# Altium PCB FRONT-UNIT-7.PcbDoc (part 1 of 3) (continued)
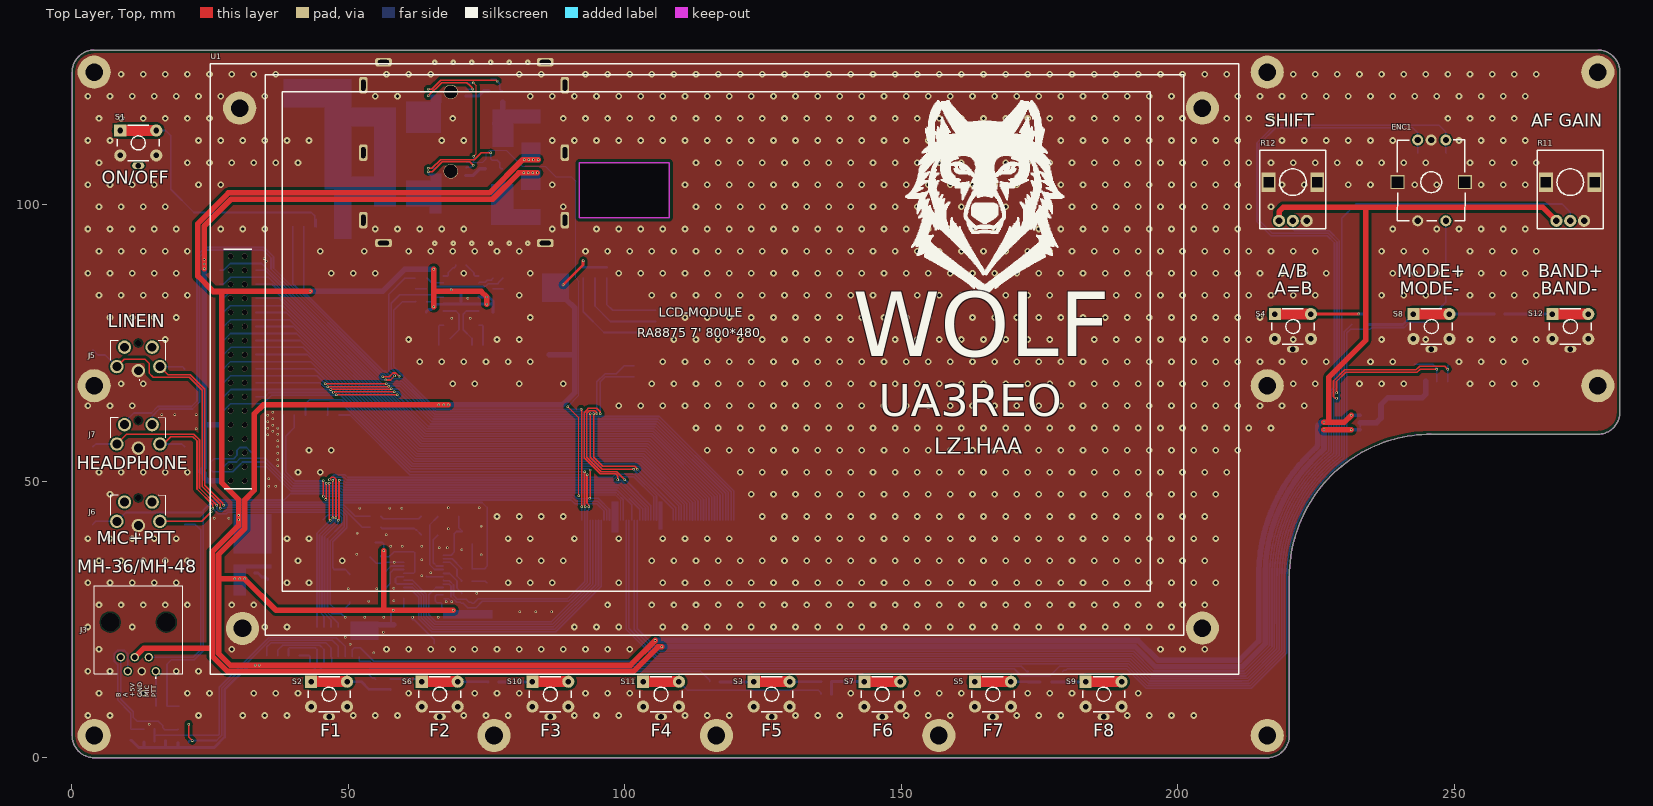
[diagram p0: Top Layer, Top view]
## Footprints (in the part's own frame and the unit in brackets; to place one, negate y for a bottom-side part, rotate by r counter-clockwise, add the part's x,y. Pads: shape width x height; smd on the part's side, far side on the other; paste and mask are expansions set on the pad) (continued)
  round 1 hole 1 unplated: ""(3.683,-75.438) ""(3.683,-72.898) ""(3.683,-70.358) ""(3.683,-67.818) ""(3.683,-65.278) ""(3.683,-62.738) ""(3.683,-60.198) ""(3.683,-57.658) ""(3.683,-55.118) ""(3.683,-52.578) ""(3.683,-50.038) ""(3.683,-47.498) ""(3.683,-44.958) ""(3.683,-42.418) ""(3.683,-39.878) ""(3.683,-37.338) ""(3.683,-34.798) ""(6.223,-75.438) ""(6.223,-72.898) ""(6.223,-70.358) ""(6.223,-67.818) ""(6.223,-65.278) ""(6.223,-62.738) ""(6.223,-60.198) ""(6.223,-57.658) ""(6.223,-55.118) ""(6.223,-52.578) ""(6.223,-50.038) ""(6.223,-47.498) ""(6.223,-44.958) ""(6.223,-42.418) ""(6.223,-39.878) ""(6.223,-37.338) ""(6.223,-34.798)
  Top Layer, Top pour cut-out: 2.45,-33.8 7.45,-33.8 7.45,-76.825 2.45,-76.825
  Bottom Layer, Bottom pour cut-out: 2.45,-33.8 7.45,-33.8 7.45,-76.825 2.45,-76.825
  silkscreen extent 0,-110.36 186.06,0, body extent 0,-110.36 186.06,0, height 11.6
MCP3008-I/SL [mm]
  rect 2x0.6 smd: 1(-2.7,4.445) 2(-2.7,3.175) 3(-2.7,1.905) 4(-2.7,0.635) 5(-2.7,-0.635) 6(-2.7,-1.905) 7(-2.7,-3.175) 8(-2.7,-4.445) 9(2.7,-4.445) 10(2.7,-3.175) 11(2.7,-1.905) 12(2.7,-0.635) 13(2.7,0.635) 14(2.7,1.905) 15(2.7,3.175) 16(2.7,4.445)
  silkscreen extent -1.3,-5 1.3,5
PAM8403 [mm]
  rect 2x0.6 smd: 1(-3.175,4.445) 2(-3.175,3.175) 3(-3.175,1.905) 4(-3.175,0.635) 5(-3.175,-0.635) 6(-3.175,-1.905) 7(-3.175,-3.175) 8(-3.175,-4.445) 9(3.175,-4.445) 10(3.175,-3.175) 11(3.175,-1.905) 12(3.175,-0.635) 13(3.175,0.635) 14(3.175,1.905) 15(3.175,3.175) 16(3.175,4.445)
  silkscreen extent -1.7,-5.15 1.7,5.15
PCBJUMPEROPENSHORT [mm]
  rrect20% 1x1.7 smd mask+0.16: 1(1.3,0) 2(-1.3,0) 3(0,0)
  Top Layer, Top lines w0.3: 0.8,0 0.5,0
  silkscreen extent -2.1,-1.15 2.1,1.15
PEC12 [mm]
  round 2 hole 1.1: 1(-2.44,-6.985) 2(2.64,-6.985) 3(2.64,7.62) 4(0,7.618) 5(-2.44,7.62)
  rect 2.5x2.5 hole 2 square: 6(-6.1,0) 7(6.1,0)
  silkscreen extent -6.12,-7 6.12,7.7, body extent -7,-7.15 7,7.6, height 20
PJ3583B [mm]
  round 2.43 hole 1.62: 2(0,0) 3(-3.9,-0.75) 4(-2.5,-4.25) 5(2.5,-4.25) 6(3.9,-0.75)
  round 0.6 hole 1.2 unplated: MH1(0,-5)
  silkscreen extent -5,-5.55 5,1.7, body extent -5,-5.54 5,0.56, height 15
PTS645SK50LFS [mm]
  rect 2.2x2.2 hole 1: 1(-3.25,2.25)
  round 2.2 hole 1: 2(3.25,2.25) 3(3.25,-2.25) 4(-3.25,-2.25)
  oval 2.2x1.2 hole 1: 5(0,-4.1)
  silkscreen extent -3.81,-3.17 3.81,3.18, body extent -3.85,-4.25 3.85,3, height 7.3
PTV09 [mm]
  round 2.2 hole 1.2: 1(-2.5,-7) 2(0,-7) 3(2.5,-7)
  rect 2.5x3.5 hole 1.8 square: 4(-4.4,0) 5(4.4,0)
  silkscreen extent -5.96,-8.46 5.94,5.74, body extent -5.65,-7.1 5.65,5.5, height 26.54
R-0805 [mm] "Thin Film, Rectangular Resisitor Chip, Body 2 x 1.2 mm (L x W)"
  rect 0.7x1.3 smd: 1(-0.95,0) 2(0.95,0)
  Top Layer, Top pour cut-out: -0.6,0.65 0.6,0.65 0.6,-0.65 -0.6,-0.65
  body extent -1,-0.62 1,0.63, height 0.6
RES_0805 [mm] "Thin Film, Rectangular Resisitor Chip, Body 2 x 1.2 mm (L x W)"
  rect 0.7x1.3 smd: 1(-0.95,0) 2(0.95,0)
  Top Layer, Top pour cut-out: -0.6,0.65 0.6,0.65 0.6,-0.65 -0.6,-0.65
  body extent -1,-0.62 1,0.63, height 0.6
S4B-PH-SM4-TB [mm]
  rect 1x3.5 smd: 1(6,0) 2(4,0) 3(2,0) 4(0,0)
  rect 1.6x3.5 smd: 5(-2.4,5.7) 6(8.4,5.7)
  silkscreen extent -3,-2.36 9,7.35, body extent -2.95,-1.43 8.95,7.44, height 5.6
SMBJ36CATR [mm]
  rect 2.2x2.15 smd: 1(-2.2,0) 2(2.2,0)
  silkscreen extent -2.68,-1.81 2.68,1.81, body extent -3.09,-1.81 3.09,1.81, height 2.75
SMD-G-10X10.2 [mm] "10X7.7, 8.7, 10, 10.5, 12.5"
  rect 4.1x2 smd paste-0.05 mask+0.05: 1(4.35,0) 2(-4.35,0)
  silkscreen extent -5.25,-5.25 5.25,5.25, body extent -5.85,-5.15 5.85,5.15
SOT23-5 [mm] "SOT23, 5-Leads, Body 2,90x2,80mm, Pitch 0,95mm, IPC Medium Density"
  rect 1x0.6 smd: 1(-1.2,0.95) 2(-1.2,0) 3(-1.2,-0.95) 4(1.2,-0.95) 5(1.2,0.95)
  round 0.5 on Mech2: ""(-1.1,1.1)
  silkscreen extent -1.32,-1.5 0.25,1.92, body extent -1.5,-1.5 1.5,1.5, height 1.3
ST1S10 [mm]
  rect 2x0.6 smd: 1(-2.7,1.905) 2(-2.7,0.635) 3(-2.7,-0.635) 4(-2.7,-1.905) 5(2.7,-1.905) 6(2.7,-0.635) 7(2.7,0.635) 8(2.7,1.905)
  rect 2.41x3.3 smd: 9(0,-0.1)
  silkscreen extent -1.32,-2.5 1.32,2.5, body extent -3,-2.45 3,2.45, height 1.63
WE-LQ-L [mm] "Inductor, 2-Leads, Body 4.5 x 3.2 mm"
  rect 2x3.6 smd: 1(-1.7,0) 2(1.7,0)
  silkscreen extent -0.2,-1.65 0.2,1.65, body extent -2.25,-1.6 2.25,1.6, height 2.59
WM8731 [mm]
  rect 1.8x0.4 smd: 1(-3.6,4.225) 2(-3.6,3.575) 3(-3.6,2.925) 4(-3.6,2.275) 5(-3.6,1.625) 6(-3.6,0.975) 7(-3.6,0.325) 8(-3.6,-0.325) 9(-3.6,-0.975) 10(-3.6,-1.625) 11(-3.6,-2.275) 12(-3.6,-2.925) 13(-3.6,-3.575) 14(-3.6,-4.225) 15(3.6,-4.225) 16(3.6,-3.575) 17(3.6,-2.925) 18(3.6,-2.275) 19(3.6,-1.625) 20(3.6,-0.975) 21(3.6,-0.325) 22(3.6,0.325) 23(3.6,0.975) 24(3.6,1.625) 25(3.6,2.275) 26(3.6,2.925) 27(3.6,3.575) 28(3.6,4.225)
  silkscreen extent -2.4,-5.2 2.4,5.2

## Part data
C1 C2: library part "SMD-G 470uF 25V", "CAP ALUM 470UF 20% 25V SMD", Lifetime @ Temp=2000Hrs@105℃, Manufacturer=KEMET, Manufacturer PartNumber=EDH477M025A9PAA, Package / Case="G, 0.394\" Dia (10.00mm)", Temp.Characteristic="–55 °C to +105 °C", Tolerance="±20 %", Voltage=25V, Assembly type="Manual Part", ComponentLink2URL=http://www.mouser.com/ds/2/315/ABA0000C1181-947564.pdf, Dealer Digi-Key=https://www.digikey.com/product-detail/en/kemet/EDH477M025A9PAA/EDH477M025A9PAA-ND/6597660, Dealer Аlternative=https://detail.1688.com/offer/541866342432.html, Detailed Description="470µF 25V Aluminum Electrolytic Capacitors Radial, Can - SMD  2000 Hrs @ 105°C", HelpURL=https://api.kemet.com/component-edge/download/datasheet/EDH477M025A9PAA.pdf, Note="Aluminum Electrolytic Capacitors", PartNumber Digi-Key=EDH477M025A9PAA, Pricing Digi-Key=0.21, Pricing Аlternative=0.05, Publisher="Catcatcat Electronics", website developer=http://catcatcat.d-lan.dp.ua/
C3 C4 C5 C6 C7: library part CAP_1206, "CAP_1206"
C8 C10 C12 C14 C16 C19 C20 C21 C25 C26 C28 C29 C30 C31 C32 C36 C38 C39 C40 C43 C45 C48 C49 C50 C51 C52 C53: library part CAP_0805, "CAP_0805"
C9 C11 C15 C17 C18 C22 C24 C33 C34 C35 C37 C41 C42 C44: library part CAPAE_4.3x4.3h5.4, "CAPAE_4.3x4.3h5.4"
C13 C23: "Capacitor Polarised", Manufacturer_Name=Panasonic, Datasheet Link=http://industrial.panasonic.com/cdbs/www-data/pdf/RDE0000/ABA0000C1145.pdf, Height=7.8mm, Manufacturer_Part_Number=EEE1EA220SP
C27: library part Capacitor
C46 C47: library part CMP-03017-000025-1, "CAP TANT 220UF 10% 10V 2917", Capacitance=220uF, Case Code (Imperial)=2917, Case Code (Metric)=7343, Dielectric Material=Tantalum, ESR (Equivalent Series Resistance)=100mR, Leakage Current=22uA, Max Operating Temperature=125°C, Min Operating Temperature=-55°C, Package Quantity=1, Ripple Current=1.225A, Tolerance=10%, Voltage=10V, Case/Package=2917, Construction=Flat, Depth=4.3mm, Dissipation Factor=8%, Features="General Purpose", Height=2.8mm, Height - Seated (Max)=0.122inch, Lead Pitch=3.8mm, Length=7.3mm, Life (Hours)=2000Hour, Mount="Surface Mount", Number of Pins=2, Packaging="Tape and Reel", Polarity=Polar, Radiation Hardening=No, REACH SVHC="No SVHC", RoHS Compliant=Yes, Series=T495, Termination=SMD/SMT, Voltage Rating=10V, Voltage Rating (DC)=10V, Width=0.169inch
D1 D2: library part SMLVT3V3, "Diode", LCSC Part #=test, Manufacturer_Name=STMicroelectronics, Mouser Part Number=511-SMLVT3V3, RS Part Number=5444821P, Allied Price/Stock=http://www.alliedelec.com/stmicroelectronics-smlvt3v3/70013736/, Allied_Number=70013736, Datasheet Link=http://www.st.com/web/en/resource/technical/document/datasheet/CD00000923.pdf, Height=2.65mm, Manufacturer_Part_Number=SMLVT3V3, Mouser Price/Stock=https://www.mouser.com/Search/Refine.aspx?Keyword=511-SMLVT3V3, RS Price/Stock=http://uk.rs-online.com/web/p/products/5444821P
D3 D4 D5 D6 D7: library part SMLVT3V3, "Diode", Manufacturer_Name=STMicroelectronics, Mouser Part Number=511-SMLVT3V3, RS Part Number=5444821P, Allied Price/Stock=http://www.alliedelec.com/stmicroelectronics-smlvt3v3/70013736/, Allied_Number=70013736, Datasheet Link=http://www.st.com/web/en/resource/technical/document/datasheet/CD00000923.pdf, Height=2.65mm, Manufacturer_Part_Number=SMLVT3V3, Mouser Price/Stock=https://www.mouser.com/Search/Refine.aspx?Keyword=511-SMLVT3V3, RS Price/Stock=http://uk.rs-online.com/web/p/products/5444821P
J1: "Connector", Manufacturer_Name=Ai-Thinker, Manufacturer_Part_Number="ESP8266 ESP-07", Datasheet Link=http://datasheet.octopart.com/ESP-07S-RF-Solutions-datasheet-104506015.pdf, Height=3mm
J3: "Connector", Manufacturer_Name=Molex, Mouser Part Number=538-42878-6216, Datasheet Link=https://www.molex.com/pdm_docs/sd/428786216_sd.pdf, Height=12.7mm, Manufacturer_Part_Number=42878-6216, Mouser Price/Stock=https://www.mouser.co.uk/ProductDetail/Molex/42878-6216?qs=yYVs2tXBqMPaSjdPYoO9rg%3D%3D
J4: "Connector", Arrow Part Number=S4B-PH-SM4-TB(LF)(SN), Manufacturer_Name="JST (JAPAN SOLDERLESS TERMINALS)", Arrow Price/Stock=https://www.arrow.com/en/products/s4b-ph-sm4-tb-lf-sn/jst-manufacturing, Datasheet Link=http://uk.rs-online.com/web/p/products/6881366, Manufacturer_Part_Number=S4B-PH-SM4-TB(LF)(SN)
J5 J6 J7: "Connector", Manufacturer_Name="JJ Electronics", Datasheet Link=https://datasheet.lcsc.com/szlcsc/2002271836_XKB-Enterprise-PJ-3583-B_C397337.pdf, Height=15mm, Manufacturer_Part_Number=PJ-3583-B
L1 L2 L4 L5: "Inductor", Manufacturer_Name=Vishay, Mouser Part Number=70-IHLP2525CZER100M0, Arrow Part Number=IHLP2525CZER100M01, Arrow Price/Stock=https://www.arrow.com/en/products/ihlp2525czer100m01/vishay?region=nac, Datasheet Link=https://www.vishay.com/docs/34104/ihlp-2525cz-01.pdf, Height=3mm, Manufacturer_Part_Number=IHLP2525CZER100M01, Mouser Price/Stock=https://www.mouser.co.uk/ProductDetail/Vishay-Dale/IHLP2525CZER100M01?qs=PA%252BPfIdQ8xl3JLrMc5InbA%3D%3D
L3 L6: library part CMP-0227-00587-1, "SMD-RF-Inductor WE-LQ, L = 3.30 µH", Inductance="3.30 ÂµH", ComponentLink1Description="Manufacturer Link", ComponentLink1URL=http://www.we-online.com, ComponentLink2Description=Datasheet, ComponentLink2URL=http://www.we-online.de/katalog/media/pdf/744045003.pdf, DatasheetVersion="ver 3, Jul-2006", PackageDescription="Inductor, 2-Leads, Body 4.5 x 3.2 mm", PackageReference=WE-LQ-L, PackageVersion=2006
P1 P3: library part CMP-2000-07026-1, "Male Header, Pitch 2 mm, 1 x 5 Position, Height 5.5 mm, -25 to 85 degC, RoHS, Tape and Reel", Manufacturer=JST, Package Description="Male Header, Pitch 2 mm, 1 x 5 Position, Height 5.5 mm", Package Reference=S5B-PH-SM4-TB, Datasheet URL=http://www.jst-mfg.com/product/pdf/eng/ePH.pdf, Datasheet Version=12/2012, Manufacturer URL=http://www.jst.com/home2.html, Mounting Technology=SurfaceMount, No of Positions=5, Pitch=2mm, Style/Orientation=RightAngleHeader/Plug, Termination=Crimp, Type=WiretoBoard
P2: library part CMP-2000-07027-1, "Male Header, Pitch 2 mm, 1 x 6 Position, Height 5.5 mm, -25 to 85 degC", Manufacturer=JST, Package Description="Male Header, Pitch 2 mm, 1 x 6 Position, Height 5.5 mm", Datasheet URL=https://datasheet.ciiva.com/11747/0900766b80df0d9d-11747278.pdf, Datasheet Version=11/2008, Manufacturer URL=http://www.jst.com/home2.html, Mounting Technology=SurfaceMount, No of Positions=6, Package Reference=S6B-PH-SM4-TB(LF)(SN), Pitch=2mm, Style/Orientation=RightAngleHeader/Plug, Termination=Solder, Type=ShroudedHeader
R1 R2 R3 R4 R5 R6 R7 R8 R9 R10 R13 R14 R15 R16 R17 R18 R19 R20 R21 R22 R23 R24 R26 R27 R28 R29 R34 R35 R36 R37 R38 R39 R40 R41 R42 R43 R44 R45 R46: library part RES_0805, "RES_0805"
R11 R12: library part PTV09, "Adjustable Resistor PTV09"
R25 R30 R31: library part Resistor
R32 R33: library part "RES semi", "Chip Resistor", Manufacturer=Yageo/Phycomp, Manufacturer P/N=RC0603FR-0749R9L, numsch=021, Parameters="49.9R, RC, 0.1W, ±1%, TCR ±100ppm", TypeNum=212
S2: LCSC Part #=test
U3: library part CMP-0395-00327-2, "Single Output High PSRR LDO, 1 A, Fixed 3.3 V Output, 2.7 to 5.5 V Input, 6-pin SOT-223 (DCQ), -40 to 125 degC, Green (RoHS & no Sb/Br)", Manufacturer="Texas Instruments", Accuracy(%)=2, ComponentLink1Description="Manufacturer URL", ComponentLink1URL=http://www.ti.com/, ComponentLink2Description=Datasheet, ComponentLink2URL=http://www.ti.com/general/docs/lit/getliterature.tsp?genericPartNumber=TPS79633&fileType=pdf, ComponentLink3Description="Package Specification", ComponentLink3URL=http://www.ti.com/litv/pdf/mpds098c, DatasheetVersion=SLVS351N, Eco-Plan="Green (RoHS & no Sb/Br)", Fixed Output Options(V)=3.3, Iout(Max)(A)=1, Iq(Typ)(mA)=0.26, Mounting Technology="Surface Mount", PackageDescription="6-Pin Plastic Small Outline, Body 3.5 x 6.5 mm, Pitch 1.27 mm", PackageReference=DCQ0006A, PackageVersion=4202109/D, PartNumber=TPS79633DCQR, SubFamily="Single Channel LDO", Vdo(Typ)(mV)=220, Vin(Max)(V)=5.5, Vin(Min)(V)=2.7, Vout Adj(Max)(V)=3.3, Vout Adj(Min)(V)=3.3
U6 U7: library part MCP6001UT_1
ENC1: FULLNAME="Выключатель замыкающий с приводом нажатием кнопки"

## Free pads (board coordinates)
  rrect50% 1.5x3 hole 0.8 slot 2 at 90 deg: 7(52.692,97.241) 7(52.692,109.449) 7(52.692,121.658) 7(89.156,97.241) 7(89.156,109.449) 7(89.156,121.658)
  rrect50% 3x1.5 hole 0.8 slot 2 at 0 deg: 7(56.342,93.091) 7(56.342,125.808) 7(85.606,93.091) 7(85.606,125.808)
  round 6 hole 3.2: ""(4.013,4.013) ""(4.013,67.285) ""(4.013,124.003) ""(76.327,4.013) ""(116.561,4.013) ""(156.794,4.013) ""(216.205,4.013) ""(216.205,67.285) ""(216.205,124.003) ""(275.996,67.285) ""(275.996,124.003)
  round 2.6 hole 2.4: ""(68.527,106.064) ""(68.527,120.42)

## Via types
v1: diameter 1.2, hole 0.6, Top Layer, Top to Bottom Layer, Bottom, tented both sides, 1092 vias
v2: diameter 0.45, hole 0.25, Top Layer, Top to Bottom Layer, Bottom, tented both sides, 175 vias
v3: diameter 1, hole 0.25, Top Layer, Top to Bottom Layer, Bottom, tented both sides, 12 vias

## Nets (pads, with @x,y where several pads share a name; then routed paths per layer and width w, separated by ;. In a path a pad name is that pad's centre, name@x,y a point inside that pad or via, vN(x,y) a via of type N, cw(c..) or ccw(c..) an arc to the next point about the centre after c; other vN are vias at no path point)
5V: C11.1 C12.2 L1.1 L3.2 R2.2 | length 4.6
  Bottom Layer, Bottom w1: C12.2@76.459,114.63 76.459,114.73 77.925,116.196 R2.2@77.925,118.593
+3V3: C14.2 C15.1 C18.1 C19.2 C26.2 C32.1 C33.1 C35.1 C36.2 C40.2 C41.1 J1.3 J1.8 R3.1 R4.1 R5.1 R11.1 R12.1 R13.2 R14.2 R15.2 R16.2 R30.2 R31.2 R32.2 R33.2 SB1.2 U3.4 U5.15 U5.16 U6.5 U7.5 U8.1 U8.8 U8.14 U8.27 | length 626.3
  Top Layer, Top w0.5: v2(88.824,85.522) 92.456,89.154 v2(92.456,89.916)
  Top Layer, Top w1: v2(56.413,37.465) 56.413,26.67 ; v2@58.133,26.67 56.413,26.67 ; v2@58.147,26.67 v2(68.936,26.67) ; v2@68.072,63.83 34.595,63.83 32.995,62.23 32.995,48.387 31.274,46.667 31.274,41.51 26.499,36.735 26.499,32.36 ; v2(105.503,21.206) 101.061,16.764 v2(33.858,16.764) v2(33.147,16.764) 28.601,16.764 26.499,18.866 26.499,32.36 ; R12.1@218.335,97.11 218.335,98.799 219.129,99.593 233.985,99.593 ; v2(226.466,60.655) 227.355,60.655 ; v2(231.394,61.925) 230.124,60.655 227.355,60.655 ; R11.1@268.51,97.11 266.027,99.593 233.985,99.593 ; 26.499,32.36 26.525,32.334 v2(29.439,32.334) v2(30.34,32.334) v2(31.242,32.334) 36.906,26.67 56.413,26.67 ; 227.355,60.655 227.355,68.86 233.985,75.49 233.985,99.593
  Bottom Layer, Bottom w0.3: C41.1@54.824,38.959 54.86,38.923 56.098,38.923 56.408,38.613 56.408,36.984 55.858,36.434 55.858,36.334 57.346,36.334 58.296,37.284 U8.14@59.983,37.284 61.75,37.284 61.976,37.059 61.976,33.604 61.747,33.376 59.992,33.376 U8.8@59.983,33.384 ; C35.1@58.234,24.028 57.717,24.546 57.717,26.228 58.133,26.644 v2(58.133,26.684) 59.872,26.684 C36.2@59.908,26.721 59.983,26.796 U8.1@59.983,28.834 ; U8.27@67.183,29.484 65.983,29.484 65.708,29.209 65.708,28.384 66.033,28.059 66.72,28.059 66.896,27.883 66.896,27.221 67.447,26.67 68.976,26.67 69.129,26.518 73.762,26.518 C33.1@75.075,26.518
  Bottom Layer, Bottom w0.5: R30.2@10.649,3.157 10.774,3.157 12.077,1.854 13.02,1.854 ; U6.5@13.02,2.864 13.02,1.854 ; R31.2@16.916,3.064 16.916,1.854 ; U7.5@19.192,2.762 19.192,1.854 ; R13.2@41.123,16.601 R15.2@39.167,16.601 R16.2@37.211,16.601 R14.2@35.255,16.601 35.093,16.764 v2(33.858,16.764) v2(33.147,16.764) 32.072,16.764 27.619,12.311 27.619,3.743 25.73,1.854 19.192,1.854 ; v2(92.456,89.916) R5.1@92.456,88.732 R4.1@94.602,88.732 R3.1@96.749,88.732 ; 13.02,1.854 16.916,1.854 ; 16.916,1.854 19.192,1.854
  Bottom Layer, Bottom w0.6: v2(231.394,61.925) 231.399,61.93 SB1.2@233.02,61.93
  Bottom Layer, Bottom w1: 52.883,22.987 53.924,24.028 C35.1@58.234,24.028 ; v2(66.319,63.805) v2(67.234,63.805) v2(68.072,63.805) 88.722,63.805 90.957,66.04 90.957,72.949 ; J1.3@86.305,72.921 90.929,72.921 90.957,72.949 ; J1.8@86.305,82.921 89.393,82.921 90.957,81.356 90.957,72.949 ; v2(105.503,21.206) 192.839,21.206 196.4,17.644 211.218,17.644 214.649,21.075 214.649,24.47 cw(c216.599,24.47) 214.65,24.533 ccw(c213.65,24.563) 214.65,24.561 214.65,26.414 214.65,32.8 cw(c220.2,32.81) 214.651,32.91 214.652,32.974 cw(c217.052,32.951) 214.652,32.983 cw(c217.802,32.951) 214.652,33.002 214.654,33.13 cw(c217.504,33.1) 214.654,33.152 214.66,33.586 cw(c220.21,33.531) 214.67,33.866 214.742,35.138 ccw(c213.743,35.197) 214.742,35.15 cw(c215.891,35.095) 214.743,35.159 cw(c215.891,35.101) 214.743,35.169 ccw(c213.745,35.233) 214.744,35.179 214.749,35.278 cw(c220.291,34.97) 214.779,35.615 214.816,35.951 ccw(c213.823,36.063) 214.817,35.955 214.896,36.66 cw(c216.039,36.536) 214.897,36.669 cw(c216.04,36.544) 214.898,36.677 214.936,37.009 cw(c220.452,36.403) 214.981,37.336 cw(c218.532,36.739) 214.985,37.355 214.987,37.368 cw(c216.122,37.181) 214.988,37.376 cw(c219.575,36.611) 214.994,37.41 215.22,38.74 cw(c220.694,37.824) 215.286,39.07 215.294,39.108 cw(c218.514,38.385) 215.3,39.132 215.327,39.254 ccw(c214.353,39.477) 215.329,39.26 215.462,39.845 ccw(c214.488,40.069) 215.464,39.853 cw(c216.587,39.604) 215.467,39.866 cw(c216.589,39.613) 215.469,39.873 215.598,40.437 cw(c216.72,40.186) 215.599,40.442 cw(c221.015,39.229) 215.686,40.78 215.949,41.693 cw(c218.257,41.037) 215.952,41.705 216.074,42.128 ccw(c215.114,42.407) 216.075,42.131 cw(c221.414,40.614) 216.183,42.47 cw(c217.269,42.093) 216.185,42.476 216.263,42.698 cw(c220.659,41.183) 216.274,42.731 ccw(c215.332,43.065) 216.277,42.737 216.475,43.304 ccw(c215.531,43.634) 216.475,43.306 216.649,43.803 cw(c221.89,41.975) 216.768,44.112 216.807,44.208 ; 216.808,44.209 216.815,44.226 cw(c217.88,43.792) 216.819,44.237 cw(c221.121,42.471) 216.831,44.266 216.955,44.565 cw(c220.006,43.307) 216.962,44.58 ccw(c216.039,44.967) 216.964,44.586 217.307,45.415 cw(c222.441,43.307) 217.448,45.729 218.059,46.998 cw(c223.067,44.606) 218.217,47.304 218.282,47.422 cw(c219.291,46.87) 218.287,47.43 218.6,47.996 cw(c221.494,46.412) 218.61,48.015 cw(c219.617,47.461) 218.612,48.019 218.899,48.537 cw(c223.764,45.868) 219.071,48.83 ; 219.071,48.83 219.825,50.03 cw(c224.531,47.088) 220.017,50.317 220.826,51.458 cw(c225.365,48.264) 221.037,51.738 221.054,51.76 221.925,52.852 cw(c226.264,49.391) 222.127,53.09 222.745,53.781 222.745,53.782 223.076,54.152 cw(c227.225,50.466) 223.305,54.395 224.315,55.405 cw(c228.244,51.485) 224.565,55.64 224.928,55.965 ccw(c224.261,56.71) 224.968,56.002 225.024,56.059 ccw(c224.316,56.765) 225.316,56.765 225.316,60.069 225.902,60.655 v2(226.466,60.655)
+5: C16.2 C17.1 C48.1 C49.1 C52.1 J3.4 L1.2 SB1.1 U3.1 U3.2 U9.4 U9.6 U9.12 U9.13 | length 491.6
  Top Layer, Top w1: J3.4@11.354,18.182 11.384,18.182 12.963,19.761 25.349,19.761 ; v2(43.053,84.353) 27.072,84.353 27.051,84.332 ; v2(65.43,81.559) 65.43,84.353 74.016,84.353 v2(75.032,83.337) v2(75.032,82.067) ; 65.43,84.354 v2(65.43,88.367) ; v2(84.305,108.179) v2(83.476,108.179) v2(82.647,108.179) v2(81.818,108.179) 81.532,108.179 75.519,102.166 28.303,102.166 22.758,96.622 22.758,87.122 25.548,84.332 27.051,84.332 ; v2(106.653,20.056) 105.98,20.056 101.538,15.614 28.125,15.614 25.349,18.39 25.349,19.761 ; v2(226.466,59.334) v2(231.394,59.334) ; 25.349,19.761 25.349,37.211 30.124,41.986 v2(30.124,43.028) v2(30.124,43.815) 30.124,46.685 27.051,49.759 27.051,84.332
  Bottom Layer, Bottom w0.5: C52.1@64.097,80.594 64.097,80.694 64.497,81.094 64.965,81.094 v2(65.43,81.559) 65.894,82.023 67.169,82.023 U9.4@67.212,82.066 70.387,82.066 ; U9.6@67.212,84.606 v2(68.582,84.606) 69.953,84.606 70.387,84.172 70.387,82.066 ; U9.12@73.562,83.336 75.425,83.336 76.162,82.599 C48.1@76.162,82.466 ; C49.1@76.162,80.594 C48.1@76.162,82.466 ; 70.387,82.066 U9.13@73.562,82.066 75.761,82.066 C48.1@76.162,82.466
  Bottom Layer, Bottom w0.6: v2(231.394,59.334) 231.399,59.33 SB1.1@233.02,59.33
  Bottom Layer, Bottom w1: v2(43.053,84.353) 56.185,84.353 60.198,88.367 v2(65.43,88.367) ; v2(106.653,20.056) 192.363,20.056 195.924,16.494 211.694,16.494 215.799,20.599 215.799,24.47 cw(c216.599,24.47) 215.799,24.504 ccw(c214.8,24.543) 215.8,24.545 215.8,32.802 cw(c220.2,32.81) 215.801,32.892 215.802,32.962 cw(c217.052,32.951) 215.802,32.97 cw(c217.802,32.951) 215.802,32.98 215.804,33.113 cw(c216.804,33.102) 215.804,33.117 cw(c217.504,33.1) 215.804,33.132 215.81,33.574 cw(c220.21,33.531) 215.818,33.799 215.89,35.081 cw(c218.487,34.95) 215.891,35.093 215.891,35.095 ccw(c214.893,35.155) 215.891,35.1 ; 215.891,35.101 ccw(c214.893,35.163) 215.892,35.109 215.898,35.216 cw(c220.291,34.97) 215.921,35.481 216.039,36.536 ccw(c215.046,36.654) 216.04,36.544 216.079,36.883 cw(c220.452,36.403) 216.115,37.144 cw(c218.532,36.739) 216.118,37.159 216.122,37.181 ccw(c215.136,37.351) 216.122,37.185 cw(c219.575,36.611) 216.127,37.213 216.354,38.55 cw(c220.694,37.824) 216.406,38.812 216.416,38.855 cw(c218.514,38.385) 216.42,38.872 216.584,39.591 ccw(c215.609,39.815) 216.585,39.595 216.587,39.604 ccw(c215.614,39.833) 216.589,39.613 216.72,40.186 ccw(c215.745,40.411) 216.721,40.19 cw(c221.015,39.229) 216.79,40.459 217.054,41.375 cw(c218.257,41.037) 217.057,41.385 217.179,41.81 cw(c218.141,41.535) 217.18,41.813 cw(c221.414,40.614) 217.267,42.087 ccw(c216.325,42.421) 217.269,42.093 217.35,42.323 cw(c220.659,41.183) 217.36,42.352 217.735,43.425 cw(c221.89,41.975) 217.829,43.669 217.87,43.769 217.877,43.786 cw(c218.618,43.483) 217.88,43.792 ccw(c216.958,44.18) 217.882,43.797 cw(c221.121,42.471) 217.892,43.822 218.018,44.126 cw(c220.006,43.307) 218.024,44.14 218.371,44.978 cw(c222.441,43.307) 218.482,45.226 219.097,46.502 cw(c223.067,44.606) 219.222,46.744 219.29,46.868 ccw(c218.414,47.351) 219.291,46.87 219.607,47.442 ; 219.607,47.442 cw(c221.494,46.412) 219.615,47.457 ccw(c218.741,47.942) 219.617,47.461 219.907,47.985 cw(c223.764,45.868) 220.043,48.216 220.8,49.419 cw(c224.531,47.088) 220.954,49.65 ; 220.954,49.65 221.767,50.796 cw(c225.365,48.264) 221.935,51.02 222.334,51.52 222.824,52.134 cw(c226.264,49.391) 222.983,52.323 223.581,52.992 223.925,53.376 cw(c225.757,51.75) 223.934,53.386 cw(c227.225,50.466) 224.117,53.58 225.13,54.593 cw(c228.244,51.485) 225.328,54.78 ccw(c224.664,55.527) 225.331,54.783 225.718,55.129 ccw(c225.051,55.874) 225.758,55.166 226.466,55.875 v2(226.466,59.334)
+13.8: C1.1 C2.1 C3.1 C4.1 C5.1 C6.1 C7.1 C9.1 C22.1 L2.1 L5.1 P1.1
+LCD_3V3: D1.1 L4.2 U1.25 U1.33 | length 117.7
  Top Layer, Top w1: v2(23.927,88.468) v2(23.927,89.306) v2(23.927,90.119) 23.927,96.164 28.779,101.016 76.071,101.016 80.846,105.791 v2(81.709,105.791) v2(82.538,105.791) v2(83.367,105.791) v2(84.196,105.791)
  Bottom Layer, Bottom w1: D1.1@23.333,51.841 23.907,52.416 23.907,52.983 23.927,53.002 23.927,60.223 ; D1.1@23.51,51.841 23.907,51.444 23.907,50.648 24.493,50.062 U1.33@26.713,50.062 ; 23.901,64.897 23.927,64.872 ; v2(23.927,90.119) v2(23.927,89.306) v2(23.927,88.468) 23.927,64.872 ; U1.25@26.713,60.222 23.928,60.222 23.927,60.223 ; 23.927,60.223 23.927,64.872
AD1_CS: J2.34 U5.10 | length 87.7
  Top Layer, Top w0.3: v2(46.557,49.678) 46.557,43.146 46.685,43.017 v2(46.685,42.977)
  Bottom Layer, Bottom w0.3: U5.10@44.323,23.655 44.323,40.615 v2(46.685,42.977) ; v2(46.557,49.678) 49.001,49.678 49.352,49.327 98.957,49.327 103.225,45.059 J2.34@103.225,42.962
AF_AMP_IN_L: C50.2 J7.4 | length 105.6
  Top Layer, Top w0.3: v2(56.744,68.326) 57.607,68.326 v2(58.344,69.063)
  Bottom Layer, Bottom w0.3: J7.4@14.5,60.25 14.5,61.795 15.773,63.068 21.793,63.068 23.056,64.331 23.056,90.595 24.308,91.846 34.569,91.846 35.992,90.424 35.992,88.393 56.03,68.355 56.715,68.355 v2(56.744,68.326) ; v2(58.344,69.063) 57.31,70.097 57.31,83.802 60.208,86.7 C50.2@62.103,86.7
AF_AMP_IN_R: C51.2 J7.5 | length 126.5
  Top Layer, Top w0.3: v2(56.223,68.905) 57.373,68.905 58.056,69.588 58.592,69.588 v2(59.155,69.024)
  Bottom Layer, Bottom w0.3: J7.5@9.5,60.25 9.5,60.706 11.151,62.357 14.376,62.357 15.538,63.518 21.607,63.518 22.606,64.517 22.606,90.781 24.121,92.296 34.756,92.296 36.442,90.61 36.442,88.58 56.042,68.98 56.107,68.98 56.182,68.905 v2(56.223,68.905) ; v2(59.155,69.024) 57.76,70.42 57.76,82.22 59.258,83.718 65.303,83.718 65.557,83.972 65.557,84.912 65.888,85.242 74.767,85.242 75.275,85.75 77.023,85.75 77.217,85.944 77.217,85.988 77.929,86.7 C51.2@78.029,86.7
AF_AMP_MUTE: J2.56 R44.2 | length 72.1
  Top Layer, Top w0.3: v2(92.075,63.058) 92.075,63.017 92.226,62.866 v2(92.227,45.364) v2(92.227,45.364)
  Bottom Layer, Bottom w0.3: R44.2@62.174,82.52 R44.2@62.194,82.499 59.768,82.499 58.21,80.941 58.21,70.712 65.604,63.318 65.939,62.983 91.959,62.983 92.034,63.058 v2(92.075,63.058) ; J2.56@92.225,42.962 92.225,45.362 v2(92.227,45.364)
AUDIO_I2S_CLOCK: J2.53 U8.25 | length 50.8
  Bottom Layer, Bottom w0.3: U8.25@67.183,30.784 65.833,30.784 64.533,29.484 64.533,25.86 65.81,24.582 86.739,24.582 93.725,31.568 J2.53@93.725,42.962